# Altium PCB AKS.PcbDoc (continued)
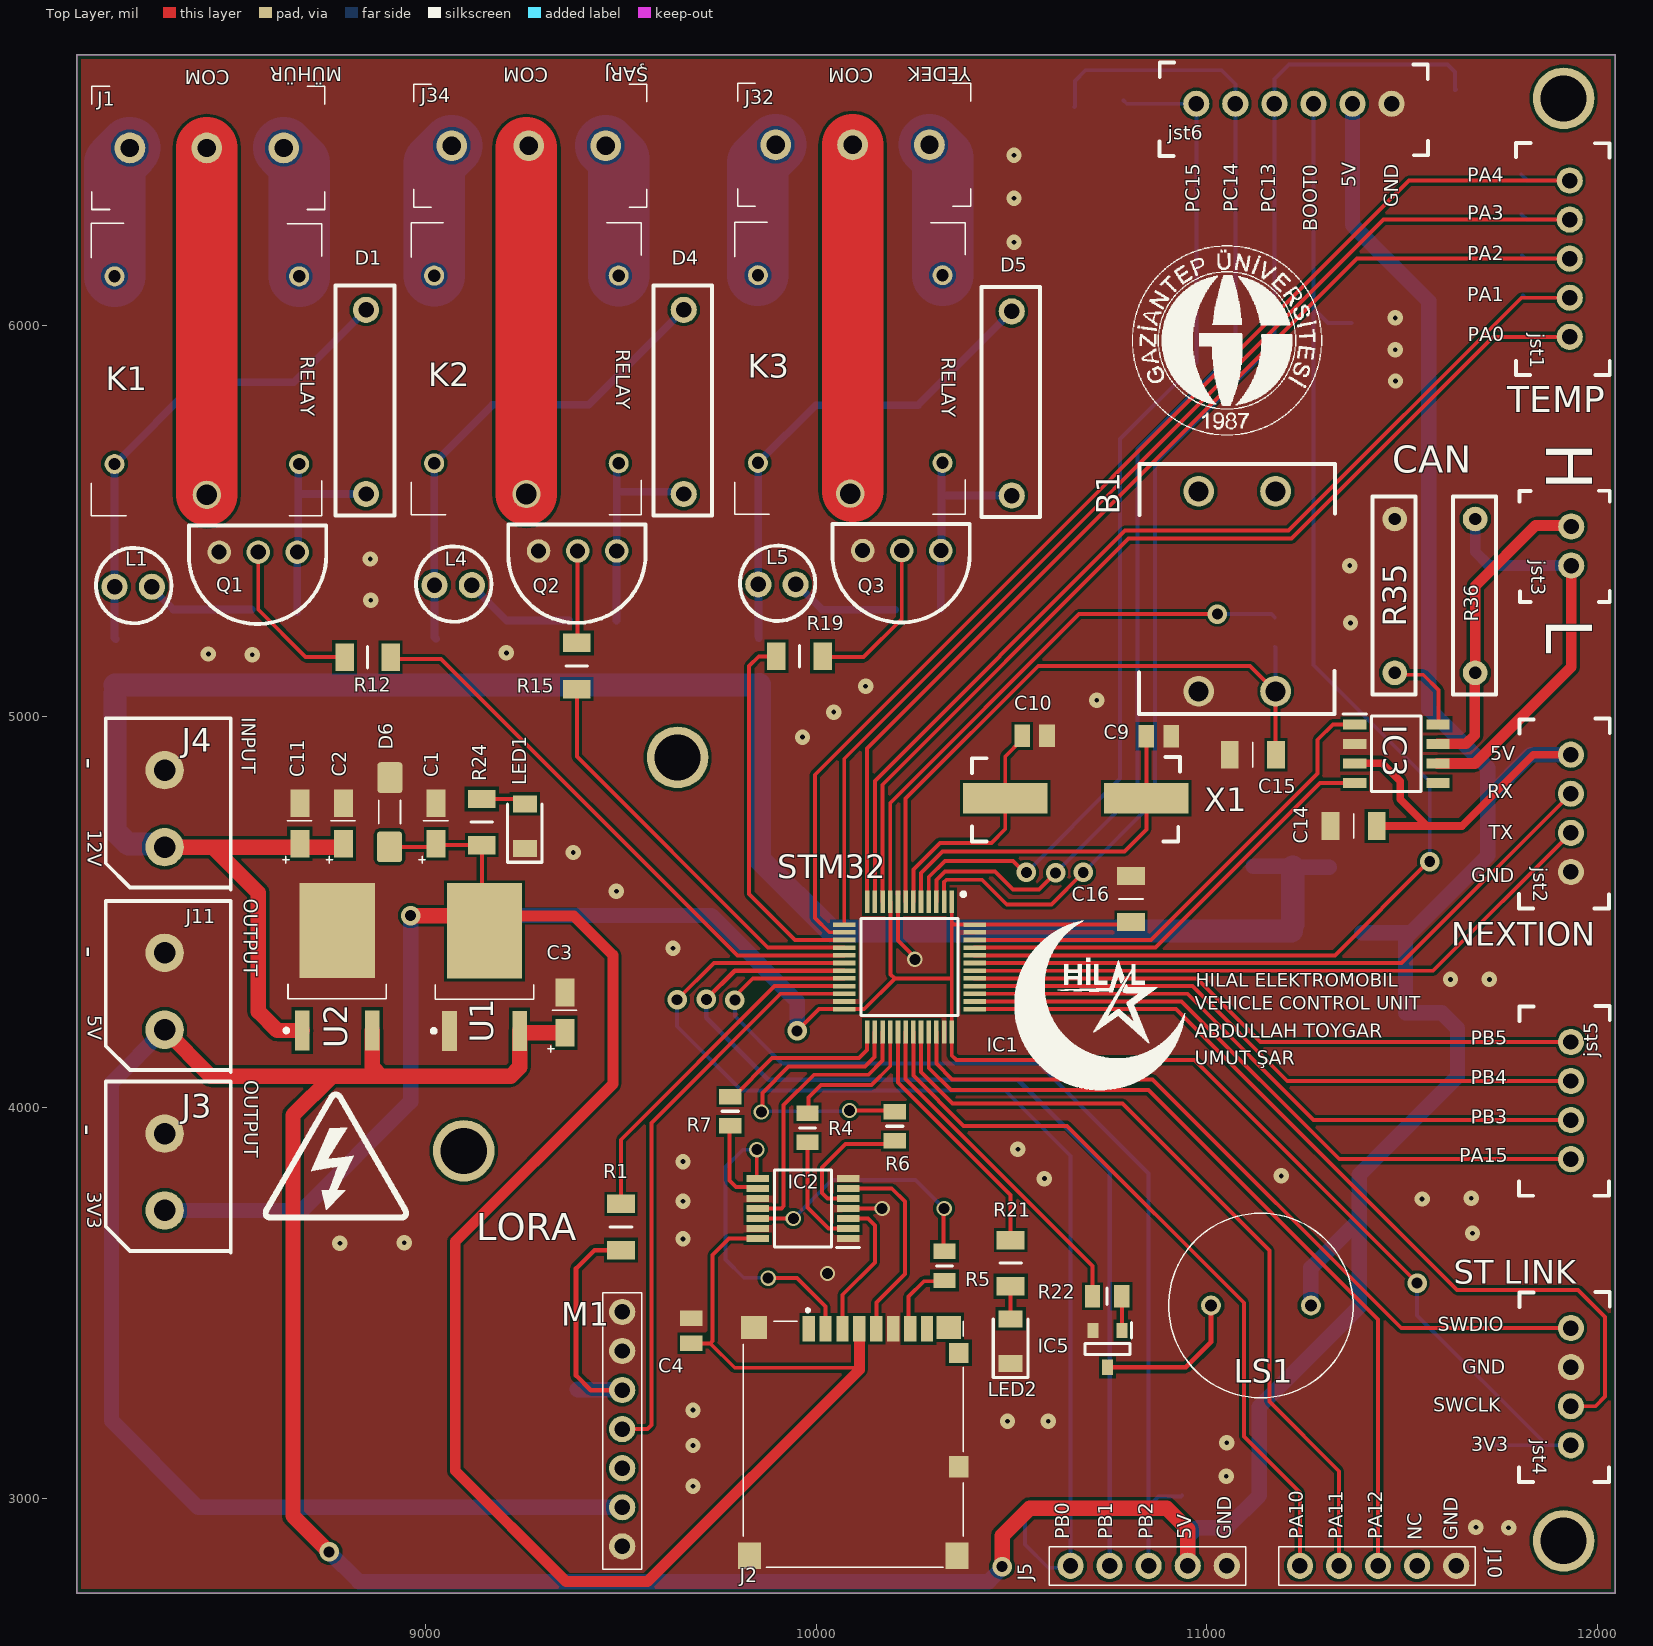
[diagram p0: Top Layer view]
## Footprints (in the part's own frame and the unit in brackets; to place one, negate y for a bottom-side part, rotate by r counter-clockwise, add the part's x,y. Pads: shape width x height; smd on the part's side, far side on the other; paste and mask are expansions set on the pad)
"2 pin jst connector" [mm]
  round 1.7 hole 1: 1(4.775,5.1) 2(7.315,5.1)
  silkscreen extent 2.45,1.74 9.68,7.6, body extent 2.47,1.75 9.68,7.59, height 7.21
2N2222A [mil]
  round 60.08 hole 38.62: 1(130,115) 2(230,115) 3(330,115)
  silkscreen extent 56,47 408,299, body extent 121,67 339,185, height 298
"3.3 VOLT ZENER" [mm]
  rrect25% 2x1.63 smd: 1(0.55,1.425) 2(5.05,1.4)
  silkscreen extent 2.02,0.7 3.52,2.1, body extent 0.92,0.65 4.63,2.25, height 1.6
"3x klemens 5mm" [mm]
  round 2 hole 1.2: 1(-14.575,4.225) 2(-9.575,4.225) 3(-4.575,4.225)
  silkscreen extent -17.05,0.23 -1.9,8.23, body extent -17.05,0.23 -1.9,8.23, height 1
4pin-jst [mm]
  round 1.7 hole 1: 1(2.4,3.5) 2(4.94,3.5) 3(7.48,3.5) 4(10.02,3.5)
  silkscreen extent 0.05,0.13 12.4,6.02, body extent 0.1,0.12 12.4,5.96, height 7.21
"5 pin jst" [mm] "2.54mm"
  round 1.7 hole 1: 1(3.325,4.575) 2(5.865,4.575) 3(8.405,4.575) 4(10.945,4.575) 5(13.485,4.575)
  silkscreen extent 0.87,1.07 15.97,7.17, body extent 1.01,1.2 15.84,7.04, height 7.21
"5X HEADER" [mm]
  round 1.7 hole 1: 1(1.225,1.525) 2(3.765,1.525) 3(6.305,1.525) 4(8.845,1.525) 5(11.385,1.525)
  silkscreen extent 0,0.28 12.78,2.78
"6 pin jst connecttor" [mm]
  round 1.7 hole 1: 1(3.175,3.65) 2(5.715,3.65) 3(8.255,3.65) 4(10.795,3.65) 5(13.335,3.65) 6(15.875,3.65)
  silkscreen extent 0.77,0.25 18.25,6.33, body extent 0.84,0.32 18.21,6.16, height 7.21
"8M Hz kristal" [mm]
  rect 5.5x2 smd: 1(-5.7,4.925) 2(-14.875,4.925)
  silkscreen extent -17.03,2.1 -3.5,7.6, body extent -16.67,2.39 -3.87,7.21, height 4.3
254EMB140RO [mm]
  round 1.3 hole 0.8: 1(0,0) 2(6.5,0)
  silkscreen extent -2.75,-6 9.25,6, body extent -2.75,-6 9.25,6, height 8.8
5027740891 [mm]
  rect 0.8x1.68 smd: 1(-4.25,0.5) 2(-5.35,0.5) 3(-6.45,0.5) 4(-7.55,0.5) 5(-8.65,0.5) 6(-9.75,0.5) 7(-10.85,0.5) 8(-11.95,0.5)
  rect 1.6x1.5 smd: 9(-13.35,0.41)
  rect 1.29x1.3 smd: 10(-14.005,2.06)
  rect 1.29x1.4 smd: 11(-14.005,9.46)
  rect 1.5x1.7 smd: 12(-13.9,15.26) 13(-0.4,15.26)
  rect 1.7x1.5 smd: 14(-0.7,0.41)
  silkscreen extent -14.3,-0.8 0,16, body extent -14.3,0.01 0,16.01, height 1.8
BUTON [mm]
  round 2 hole 1.3: 1(10.929,5.372) 2(15.929,5.372) 3(15.929,18.372) 4(10.929,18.372)
  silkscreen extent 7.07,3.6 19.8,19.85, body extent 7.48,5.25 19.48,18.45, height 6
C1206 [mm]
  rect 1.15x1.8 smd mask+0.05: 1(-0.875,-0.175) 2(2.125,-0.175)
  silkscreen extent 0.63,-0.98 0.63,0.63, body extent -0.97,-0.97 2.23,0.63, height 1
C1206-TANT [mm]
  rect 1.8x1.23 smd mask+0.05: 1(-1.475,-0.05) 2(1.145,-0.05)
  silkscreen extent -2.74,-0.82 0,1.08, body extent -1.77,-0.93 1.43,0.67, height 1.62
CAPC2012X94N [mm]
  rect 1.02x1.47 smd: 1(-0.81,0) 2(0.81,0)
  body extent -1,-0.63 1,0.63, height 0.94
DPAK228P972X240-3N [mm] "D-PAK, 3-Pads, Body 6,20x6,56mm (max), IPC Medium Density"
  rect 2.6x0.95 smd: 1(-4.15,2.28) 2(-4.15,-2.28)
  rect 6.2x4.9 smd mask+0.05: 3(2.35,0)
  silkscreen extent -4.27,-3.2 -1.15,3.43, body extent -4.29,-3.13 5.44,3.37, height 3.2
"GENERAL RESISTOR" [mm] "THT"
  round 1.6 hole 0.8: 1(1.6,1.65) 2(11.6,1.65)
  silkscreen extent 0.12,0.2 13,3, body extent 1.4,0.35 11.9,2.87, height 2.64
"KLEMENS 1x2 - 5mm" [mm]
  round 2.5 hole 1.4: 1(2.45,4.825) 2(7.45,4.825)
  silkscreen extent -0.3,0.53 10.82,8.65, body extent -0.02,0.8 10.58,8.4, height 10
led [mm] "led"
  round 1.7 hole 1: 1(1.975,3.8) 2(4.4,3.8)
  silkscreen extent 0.78,1.43 5.68,6.32, body extent 1.53,1.9 5.1,5.79, height 5.3
LEDC3214X78N [mm]
  rect 1.1x1.55 smd: 1(-1.45,0) 2(1.45,0)
  silkscreen extent -2.35,-1.12 1.45,1.12, body extent -1.6,-0.8 1.6,0.8, height 0.68
LORA [mm]
  round 1.7 hole 1: 1(1.325,1.8) 2(3.865,1.8) 3(6.405,1.8) 4(8.945,1.8) 5(11.485,1.8) 6(14.025,1.8) 7(16.565,1.8)
  silkscreen extent -0.15,0.53 17.83,3.05, body extent -1.55,0.25 19.45,48.75, height 9.87
QFP50P900X900X160-48N [mm]
  rect 1.475x0.3 smd: 1(-4.238,2.75) 2(-4.238,2.25) 3(-4.238,1.75) 4(-4.238,1.25) 5(-4.238,0.75) 6(-4.238,0.25) 7(-4.238,-0.25) 8(-4.238,-0.75) 9(-4.238,-1.25) 10(-4.238,-1.75) 11(-4.238,-2.25) 12(-4.238,-2.75) 25(4.238,-2.75) 26(4.238,-2.25) 27(4.238,-1.75) 28(4.238,-1.25) 29(4.238,-0.75) 30(4.238,-0.25) 31(4.238,0.25) 32(4.238,0.75) 33(4.238,1.25) 34(4.238,1.75) 35(4.238,2.25) 36(4.238,2.75)
  rect 0.3x1.475 smd: 13(-2.75,-4.238) 14(-2.25,-4.238) 15(-1.75,-4.238) 16(-1.25,-4.238) 17(-0.75,-4.238) 18(-0.25,-4.238) 19(0.25,-4.238) 20(0.75,-4.238) 21(1.25,-4.238) 22(1.75,-4.238) 23(2.25,-4.238) 24(2.75,-4.238) 37(2.75,4.238) 38(2.25,4.238) 39(1.75,4.238) 40(1.25,4.238) 41(0.75,4.238) 42(0.25,4.238) 43(-0.25,4.238) 44(-0.75,4.238) 45(-1.25,4.238) 46(-1.75,4.238) 47(-2.25,4.238) 48(-2.75,4.238)
  silkscreen extent -4.85,-3.15 3.15,3.63, body extent -4.5,-4.5 4.5,4.5, height 1.6
RELAY [mm]
  round 1.84 hole 1.34: 1(0,0)
  round 1.3 hole 0.8: 2(2,6) 3(2,-6) 4(14.2,6) 5(14.2,-6)
  silkscreen extent -1.35,-7.48 17.65,7.5, body extent -1.35,-7.5 17.65,7.5, height 15.04
RESC2012X65N [mm]
  rect 1x1.45 smd: 1(-0.95,0) 2(0.95,0)
  silkscreen extent 0,-0.53 0,0.53, body extent -1,-0.63 1,0.63, height 0.65
RESC3216X75N [mm]
  rect 1.2x1.8 smd: 1(-1.5,0) 2(1.5,0)
  silkscreen extent 0,-0.7 0,0.7, body extent -1.6,-0.8 1.6,0.8, height 0.75
"SF-26 DIODE" [mm]
  round 1.7 hole 1: 1(1.45,2.375) 2(13.425,2.375)
  silkscreen extent 0.05,0.53 15,4.35, body extent 1,0.65 13.9,4.15, height 3.75
SOIC127P600X175-8N [mm]
  rect 1.5x0.65 smd: 1(-2.7,1.905) 2(-2.7,0.635) 3(-2.7,-0.635) 4(-2.7,-1.905) 5(2.7,-1.905) 6(2.7,-0.635) 7(2.7,0.635) 8(2.7,1.905)
  silkscreen extent -3.45,-2.45 1.6,2.58, body extent -3,-2.45 3,2.45, height 1.75
SOP65P640X110-14N [mm]
  rect 1.475x0.45 smd: 1(-2.938,1.95) 2(-2.938,1.3) 3(-2.938,0.65) 4(-2.938,0) 5(-2.938,-0.65) 6(-2.938,-1.3) 7(-2.938,-1.95) 8(2.938,-1.95) 9(2.938,-1.3) 10(2.938,-0.65) 11(2.938,0) 12(2.938,0.65) 13(2.938,1.3) 14(2.938,1.95)
  silkscreen extent -3.67,-2.5 1.85,2.52, body extent -3.2,-2.5 3.2,2.5, height 1.1
SOT95P240X120-3N [mm]
  rect 1x0.7 smd: 1(-1.2,0.95) 2(-1.2,-0.95) 3(1.2,0)
  silkscreen extent -1.7,-1.46 0.35,1.55, body extent -1.2,-1.46 1.2,1.46, height 1.2

## Part data
C4 C9 C10: library part 08055A150JAT2A, "Capacitor", Manufacturer_Name=AVX, Mouser Part Number=581-08055A150J, Arrow Part Number=08055A150JAT2A, Arrow Price/Stock=https://www.arrow.com/en/products/08055a150jat2a/avx?region=nac, Datasheet Link=https://componentsearchengine.com/Datasheets/1/06031A100FAT2A.pdf, Height=0.94mm, Manufacturer_Part_Number=08055A150JAT2A, Mouser Price/Stock=https://www.mouser.co.uk/ProductDetail/AVX/08055A150JAT2A?qs=pZVDklL%2Fs8hiEua37sqbaA%3D%3D
C7 C14 C15 C16: library part "10 uF C1206", "10 uF C1206"
D1 D4 D5: library part "SF-26 DIODE", "DIODE"
D6: "ZENER DIODE"
IC1: "Integrated Circuit", Manufacturer_Name=STMicroelectronics, Mouser Part Number=511-STM32F103CBT6, Arrow Part Number=STM32F103CBT6, Arrow Price/Stock=https://www.arrow.com/en/products/stm32f103cbt6/stmicroelectronics?region=europe, Datasheet Link=http://www.st.com/st-web-ui/static/active/en/resource/technical/document/datasheet/CD00161566.pdf, Height=1.6mm, Manufacturer_Part_Number=STM32F103CBT6, Mouser Price/Stock=https://www.mouser.co.uk/ProductDetail/STMicroelectronics/STM32F103CBT6?qs=WxFF5lh7QM3goh6GV5Ogig%3D%3D
IC2: "Integrated Circuit", Manufacturer_Name=Nexperia, Mouser Part Number=771-74LVC125APW-T, Arrow Part Number=74LVC125APW,118, Arrow Price/Stock=https://www.arrow.com/en/products/74lvc125apw118/nexperia?region=nac, Datasheet Link=https://assets.nexperia.com/documents/data-sheet/74LVC125A.pdf, Height=1.1mm, Manufacturer_Part_Number=74LVC125APW,118, Mouser Price/Stock=https://www.mouser.co.uk/ProductDetail/Nexperia/74LVC125APW118?qs=me8TqzrmIYV8VAZOS5KVLw%3D%3D
IC3: "Integrated Circuit", Arrow Part Number=MCP2551-E/SN, Manufacturer_Name=Microchip, Mouser Part Number=579-MCP2551-E/SN, Arrow Price/Stock=https://www.arrow.com/en/products/mcp2551-esn/microchip-technology, Datasheet Link=https://datasheet.datasheetarchive.com/originals/distributors/SFDatasheet-4/sf-00090061.pdf, Height=1.75mm, Manufacturer_Part_Number=MCP2551-E/SN, Mouser Price/Stock=https://www.mouser.co.uk/ProductDetail/Microchip-Technology-Atmel/MCP2551-E-SN?qs=Vn0zuzr35GHkGDCgnw0F9A%3D%3D
IC5: "Integrated Circuit", Manufacturer_Name=Diotec, Mouser Part Number=637-MMBT3904, Arrow Part Number=MMBT3904, Arrow Price/Stock=https://www.arrow.com/en/products/mmbt3904/diotec-semiconductor-ag?region=europe, Datasheet Link=https://media.digikey.com/pdf/Data%20Sheets/ON%20Semiconductor%20PDFs/2N3904,MMBT3904,PZT3904.pdf, Height=1.2mm, Manufacturer_Part_Number=MMBT3904, Mouser Price/Stock=https://www.mouser.co.uk/ProductDetail/Diotec-Semiconductor/MMBT3904?qs=OlC7AqGiEDkK1MwiyUU6mg%3D%3D
J2: "Connector", Manufacturer_Name=Molex, Arrow Part Number=5027740891, Arrow Price/Stock=https://www.arrow.com/en/products/5027740891/molex?region=nac, Datasheet Link=https://www.molex.com/webdocs/datasheets/pdf/en-us/5027740891_MEMORY_CARD_SOCKET.pdf, Height=1mm, Manufacturer_Part_Number=5027740891
J3 J4 J11: library part "KLEMENS 1X2 3.5mm", "KLEMENS"
jst6: "connector"
K1 K2 K3: "Relay or Contactor", Manufacturer_Name="Songle Relay", Manufacturer_Part_Number=SRD-12VDC-SL-C
LED1 LED2: "LED", Manufacturer_Name="Wurth Elektronik", Mouser Part Number=710-150120BS75000, Datasheet Link=https://katalog.we-online.de/led/datasheet/150120BS75000.pdf, Height=0.78mm, Manufacturer_Part_Number=150120BS75000, Mouser Price/Stock=https://www.mouser.co.uk/ProductDetail/Wurth-Elektronik/150120BS75000?qs=LlUlMxKIyB1WGHUNBglvng%3D%3D
LS1: "Loudspeaker or Buzzer", Manufacturer_Name=Kobitone, Datasheet Link=https://componentsearchengine.com/Datasheets/1/254-EMB140-RO.pdf, Height=8.7mm, Manufacturer_Part_Number=254-EMB140-RO, Mouser Part Number=254-EMB140-RO, Mouser Price/Stock=https://www.mouser.com/Search/Refine.aspx?Keyword=254-EMB140-RO
Q1 Q2 Q3: "Transistor BJT NPN", Manufacturer_Name="Foshan Blue Rocket Elec", Datasheet Link=https://datasheet.lcsc.com/szlcsc/1901291437_Foshan-Blue-Rocket-Elec-2N2222A_C358533.pdf, Height=4.7mm, Manufacturer_Part_Number=2N2222A
R1 R2: "Resistor", Manufacturer_Name=Bourns, Manufacturer_Part_Number=CR1206-F/-2R70ELF, Mouser Part Number=652-CR1206-F/2R70ELF, Datasheet Link=https://mail.qq.com/cgi-bin/loginpage?autologin=n&errtype=1&clientuin=895793657&param=&sp=&tfcont=22%20serialization%3A%3Aarchive%2010%200%200%204%200%200%200%208%20authtype%201%204%209%20clientuin%209%20895793657%206%20domain%206%20qq.com%202%20vm%203%20, Height=0.75mm, Mouser Price/Stock=https://www.mouser.co.uk/ProductDetail/Bourns/CR1206-F-2R70ELF?qs=W%2FMpXkg%252BdQ43a7iNS79Iog%3D%3D
R3 R8 R9 R10 R11 R12 R13 R14 R15 R16 R17 R18 R19 R21 R23 R24 R25 R26 R27 R28 R29 R31 R32 R33 R34: library part CR1206-F_-2R70ELF, "Resistor", Manufacturer_Name=Bourns, Manufacturer_Part_Number=CR1206-F/-2R70ELF, Mouser Part Number=652-CR1206-F/2R70ELF, Datasheet Link=https://mail.qq.com/cgi-bin/loginpage?autologin=n&errtype=1&clientuin=895793657&param=&sp=&tfcont=22%20serialization%3A%3Aarchive%2010%200%200%204%200%200%200%208%20authtype%201%204%209%20clientuin%209%20895793657%206%20domain%206%20qq.com%202%20vm%203%20, Height=0.75mm, Mouser Price/Stock=https://www.mouser.co.uk/ProductDetail/Bourns/CR1206-F-2R70ELF?qs=W%2FMpXkg%252BdQ43a7iNS79Iog%3D%3D
R4 R5 R6 R7 R20 R22: library part CPF0805B100RE1, "Resistor", Manufacturer_Name="TE Connectivity", Mouser Part Number=279-CPF0805B100RE1, Arrow Part Number=CPF0805B100RE1, Arrow Price/Stock=https://www.arrow.com/en/products/cpf0805b100re1/te-connectivity?region=nac, Datasheet Link=https://datasheet.datasheetarchive.com/originals/distributors/DKDS-21/401696.pdf, Height=0.65mm, Manufacturer_Part_Number=CPF0805B100RE1, Mouser Price/Stock=https://www.mouser.co.uk/ProductDetail/TE-Connectivity-Holsworthy/CPF0805B100RE1?qs=9ylKvqdyudkCWLPT1QvLZQ%3D%3D
R35 R36: "GENERAL TYPE THT RES"
U1: "LD108633 3.3V REGULATOR"
U2 U3: "L7805 5V REGULATOR. SMD PAKET"

## Free pads (board coordinates)
  round 157.48 hole 118.11: 2(9098.43,3888.78) 2(9645.67,4895.67) 2(11913.39,6582.68) 3(11913.39,2890.75)

## Via types
v1: diameter 39.37, hole 12.24, Top Layer to Bottom Layer, 42 vias
v2: diameter 50, hole 28, Top Layer to Bottom Layer, 13 vias
v3: diameter 39.37, hole 28, Top Layer to Bottom Layer, 9 vias

## Nets (pads, with @x,y where several pads share a name; then routed paths per layer and width w, separated by ;. In a path a pad name is that pad's centre, name@x,y a point inside that pad or via, vN(x,y) a via of type N, cw(c..) or ccw(c..) an arc to the next point about the centre after c; other vN are vias at no path point)
3V3: C1.1 C4.1 C7.2 C16.1 D6.2 IC1.1 IC1.9 IC1.24 IC1.36 IC1.48 IC2.14 J2.4 J3.1 jst4.4 R20.1 R24.1 U1.3 | length 12360.4
  Top Layer w10: D6.2 9019.27,4666.91 C1.1 9031.5,4671.26 R24.1 U1.3@9144.68,4458.66 ; C4.1 9729.38,3396.26 ; IC2.14 9777.56,3664.37 9735.24,3622.05 9735.24,3402.12 9729.38,3396.26 ; v2(9951.77,4195.87) 10007.36,4251.46 IC1.24 10123.5,4251.46 10201.69,4329.65 ; 10111.02,3328.54 10105.91,3333.66 9791.98,3333.66 9729.38,3396.26 ; IC1.1 10347.52,4474.24 ; C16.1@10806.25,4467.99 IC1.48 10353.77,4467.99 10347.52,4474.24 ; v2(11027.56,5262.8) 10673.23,5262.8 10190.04,4779.61 IC1.9 10190.94,4525.67 10190.94,4340.39 10201.69,4329.65 ; v2(11538.39,3550.2) 11538.39,3551.18 10968.5,4121.06 10359.25,4121.06 10347.52,4132.8 IC1.36 10347.52,4329.65 ; 10201.69,4329.65 10347.52,4329.65 ; 10347.52,4329.65 10347.52,4474.24
  Top Layer w27.56: U1.3 9189.96,4490.16 9379.92,4490.16 9480.32,4389.76 9480.32,4060.04 9076.77,3656.5 9076.77,3069.88 9360.24,2786.42 9568.9,2786.42 10111.02,3328.54 J2.4
  Top Layer w39.37: v2(8962.6,4491.14) 8963.58,4490.16 9113.19,4490.16 U1.3@9144.68,4458.66
  Bottom Layer w10: v2(11027.56,5262.8) 11165.35,5262.8 R20.1 ; v2(11538.39,3550.2) 11538.39,3467.52 11870.67,3135.24 ; C7.2@11709.45,3134.06 C7.2 ; C7.2@11709.65,3128.94 11715.94,3135.24 11870.67,3135.24 ; jst4.4 11870.67,3135.24
  Bottom Layer w39.37: J3.1 8684.06,3736.22 8962.6,4014.76 v2(8962.6,4491.14) 9732.28,4491.14 9951.77,4271.65 v2(9951.77,4195.87)
5V: C3.1 C6.1 C14.1 IC3.3 J5.2 J11.1 jst2.1 jst6.5 LS1.1 M1.2 U1.2 U2.2 U3.2 | length 13451.3
  Top Layer w19.68: IC3.3 11449.21,4880.51 11495.08,4834.65 11495.08,4788.49 11563.09,4720.47 ; C14.1 11563.09,4720.47 ; jst2.1 11835.83,4902.76 11653.54,4720.47 11563.09,4720.47
  Top Layer w39.37: J11.1 8451.77,4079.72 8760.83,4079.72 ; v2(8753.94,2862.2) 8661.42,2954.72 8661.42,3980.32 8760.83,4079.72 ; U2.2 8864.37,4102.79 8887.43,4079.72 ; U1.2 U1.2@9241.34,4191.93 ; C3.1 9242.32,4190.94 U1.2@9241.34,4191.93 ; v2(10476.38,2824.8) 10476.38,2903.54 10547.24,2974.41 10897.64,2974.41 10951.38,2920.67 J5.2 ; 8760.83,4079.72 8887.43,4079.72 ; 8887.43,4079.72 9218.28,4079.72 9241.34,4102.79 U1.2@9241.34,4191.93
  Bottom Layer w39.37: J11.1 8196.85,4062.99 8196.85,3198.26 8418.53,2976.57 M1.2 ; v2(8753.94,2862.2) 8829.72,2786.42 10441.93,2786.42 10476.38,2820.87 v2(10476.38,2824.8) ; J5.2 10951.38,2900.2 10975.39,2924.21 11052.17,2924.21 11134.84,3006.89 11134.84,3234.25 11390.75,3490.16 11390.75,3713.58 ; LS1.1 11266.73,3589.57 11390.75,3713.58 ; jst6.5@11373.23,6576.95 jst6.5 11373.23,6258.66 11567.91,6063.98 11567.91,5020.67 11719.49,4869.09 11719.49,4793.31 ; U3.2 11513.78,4446.85 11517.72,4442.91 ; jst2.1 11828.94,4902.76 11719.49,4793.31 ; 11390.75,3713.58 11390.75,3827.76 11641.73,4078.74 11641.73,4202.33 11601.94,4242.13 C6.1 11508.86,4434.06 11517.72,4442.91 ; 11517.72,4442.91 11719.49,4644.69 11719.49,4793.31
+12: C2.1 C5.1 C8.1 C11.1 J4.1 R10.2 R13.2 R16.2 U2.1 U3.1 | length 5461.4
  Top Layer w39.37: J4.1 8455.71,4666.34 ; U2.1 8621.06,4196.85 8572.83,4245.08 8572.83,4549.21 8455.71,4666.34 ; C2.1 8790.35,4670.87 8785.83,4666.34 8455.71,4666.34
  Bottom Layer w39.37: C8.1 11216.34,4617.13 11217.32,4618.11 11220.28,4615.16 C5.1
  Bottom Layer w59.06: R10.2@8205.71,5081.69 R13.2 9854.33,5081.69 R16.2 9855.31,4635.83 10039.37,4451.77 U3.1@11217.32,4451.77 ; R10.2 8207.68,5061.45 8205.71,5059.48 8205.71,4708.47 8240.3,4673.87 8325.14,4673.87 J4.1 ; U3.1@11220.28,4468.5 11220.28,4615.16
BOOT0: IC1.44 jst6.4 R23.1 | length 3440.4
  Top Layer w10: IC1.44 11328.23,4389.25 11567.91,4628.94 v2(11570.87,4628.94)
  Bottom Layer w10: jst6.4 11273.23,6044.69 ; R23.1 11310.04,6007.87 11273.23,6044.69 ; v2(11570.87,4628.94) 11570.87,4834.65 11273.23,5132.28 11273.23,6044.69
BOOT1: IC1.20 J5.3 R25.2 | length 2677
  Top Layer w10: v2(9792.32,4274.61) 9792.32,4284.45 9838.07,4330.2 IC1.20
  Bottom Layer w10: v2(9792.32,4274.61) 9792.32,4233.27 9913.39,4112.2 10569.88,4112.2 10851.38,3830.71 10851.38,2979.33 ; J5.3 10851.38,2979.33 ; R25.2 10934.76,3004.64 10876.68,3004.64 10851.38,2979.33
BUZZER: IC1.30 R22.1 | length 874.2
  Top Layer w10: IC1.30 10229.41,4072.76 10707.68,3594.49 R22.1
"CS SD": IC2.8 J2.2 | length 767.7
  Top Layer w10: v3(9848.43,3891.73) 9848.43,3820.35 IC2.8 ; v3(9877.41,3563.2) 9951.57,3563.2 10024.41,3490.35 J2.2
  Bottom Layer w10: v3(9848.43,3891.73) 9812.99,3891.73 9768.7,3847.44 9768.7,3610.24 9814.96,3563.98 v3@9873.03,3563.98
GND: B1.3 C1.2 C2.2 C3.2 C4.2 C5.2 C6.2 C7.1 C8.2 C9.1 C10.1 C11.2 C14.2 C15.1 C16.2 D6.1 IC1.8 IC1.23 IC1.35 IC1.47 IC2.1 IC2.4 IC2.7 IC2.10 IC2.13 IC3.2 IC5.2 J2.6 J2.11 J2.12 J2.13 J2.14 J3.2 J4.2 J5.1 J10.1 J11.2 jst2.4 jst4.2 jst6.6 LED1.1 LED2.1 M1.1 M1.6 M1.7 Q1.3 Q2.3 Q3.3 R2.1 R3.2 R8.2 R9.2 R17.2 R23.2 R25.1 R26.2 R27.2 R28.2 R29.2 R31.2 R32.2 R33.2 R34.2 R35.1 U1.1 U2.3 U3.3 | length 252.6
  Top Layer w10: IC2.4 v3(10169.29,3741.14) ; IC1.8 10209.72,4427.09 10252.95,4383.86 v3(10252.95,4378.94)
  other v1: 11772.64,2924.21 11688.98,2925.2 9685.04,3030.51 11050.2,3056.1 9685.04,3134.84 11051.18,3141.73 10490.16,3196.85 10594.49,3196.85 9685.04,3225.39 8781.5,3652.56 8945.87,3653.54 9659.45,3663.39 11680.12,3678.15 9659.45,3759.84 11551.18,3765.75 11677.17,3767.72 10584.65,3817.91 11190.94,3824.8 9659.45,3861.22 10516.73,3892.72 11624.02,4327.76 11723.43,4327.76 9633.86,4407.48 9489.17,4553.15 9378.94,4652.56 9965.55,4947.83 10045.28,5011.81 10718.5,5042.32 10126.97,5077.76 8557.09,5158.46 8444.88,5160.43 9207.68,5163.39 11368.11,5240.16 8860.24,5298.23 11366.14,5386.81 8859.25,5403.54 11483.27,5859.25 11482.28,5938.98 11482.28,6020.67 10506.89,6214.57 10506.89,6326.77 10506.89,6437.01
  other v3: 10029.53,3574.8
LED: IC1.29 R21.1 | length 651.9
  Top Layer w10: IC1.29 10209.72,4063.9 10498.03,3775.59 R21.1
"MISO SD CARD": IC1.27 IC2.11 | length 700.9
  Top Layer w10: IC2.11 9911.46,3741.14 9917.32,3747 9917.32,4005.91 9995.08,4083.66 10133.86,4083.66 10170.35,4120.16 IC1.27
"MOSI SD CARD": IC1.28 R4.1 | length 372.3
  Top Layer w10: R4.1@9980.88,3982.7 9980.88,4025.17 10012.8,4057.09 10141.73,4057.09 10190.04,4105.39 IC1.28
mühür: IC1.17 R12.2 | length 1484.6
  Top Layer w10: R12.2@8901.92,5147.64 9040.35,5147.64 9798.74,4389.25 IC1.17
"NC K4": J34.1 K2.4 | length 351.5
  Bottom Layer w157.48: K2.4 9022.64,6416.26 J34.1
"NC K5": J32.1 K3.4 | length 352.4
  Bottom Layer w157.48: K3.4 9851.38,6418.23 J32.1
NetD1_1: D1.1 K1.3 Q1.1 R11.1 | length 550.9
  Bottom Layer w19.68: R11.1@8672.44,5267.18 Q1.1 ; Q1.1@8674.53,5422.24 8674.53,5644.09 K1.3 ; 8677.09,5569.88 D1.1
NetD1_2: D1.2 K1.2 L1.1 R10.1 | length 1257.3
  Bottom Layer w19.68: L1.1@8204.65,5331.69 K1.2 8414.27,5856.3 8663.39,5856.3 D1.2 ; L1.1 8204.72,5201.77 R10.1
NetD4_1: D4.1 K2.3 Q2.1 R14.1 | length 573.6
  Bottom Layer w19.68: R14.1@9489.57,5246.06 9489.57,5423.82 Q2.1 9489.96,5643.5 K2.3 ; 9495.08,5575.79 9655.51,5575.79 D4.1
NetD4_2: D4.2 K2.2 L4.1 R13.1 | length 1252.3
  Bottom Layer w19.68: R13.1 9023.62,5203.74 L4.1 9022.64,5337.6 K2.2 9172.24,5798.23 9418.31,5798.23 D4.2
NetD5_1: D5.1 K3.3 Q3.1 R18.1 | length 555.8
  Bottom Layer w19.68: Q3.1@10316.54,5424.21 10321.26,5428.94 10321.26,5565.94 10321.26,5647.05 K3.3 ; R18.1@10319.49,5275 Q3.1 ; 10323.82,5565.94 D5.1
NetD5_2: D5.2 K3.2 L5.1 R16.1 | length 1509.1
  Bottom Layer w19.68: K3.2 9999.02,5797.24 10260.83,5797.24 D5.2 ; R16.1@9852.36,5205.71 9852.36,5328.74 9852.36,5334.65 L5.1 K3.2@9852.36,5648.62 ; R16.1@9853.35,5200.79 R16.1@9853.35,5205.71 ; L5.1@9853.35,5328.74 R16.1@9853.35,5205.71 ; L5.1@9853.35,5333.66 R16.1@9853.35,5205.71
Netjst1_1: IC1.14 jst1.1 R29.1 | length 3149.3
  Top Layer w10: IC1.14 10033.98,4448.31 9997.05,4485.24 9997.05,4851.38 11517.91,6372.24 jst1.1
  Bottom Layer w10: R29.1 11820.67,6372.24 jst1.1
Netjst1_2: IC1.13 jst1.2 R17.1 | length 2981.1
  Top Layer w10: IC1.13 10072.4,4892.28 11452.36,6272.24 jst1.2
  Bottom Layer w10: R17.1 11819.29,6272.24 jst1.2
Netjst1_3: IC1.12 jst1.3 R9.1 | length 2835
  Top Layer w10: IC1.12 10130.98,4918.39 11384.84,6172.24 jst1.3
  Bottom Layer w10: R9.1 11815.94,6172.24 jst1.3
Netjst1_4: IC1.11 jst1.4 R8.1 | length 2722.2
  Top Layer w10: IC1.11 10150.67,4835.71 10791.34,5476.38 11209.65,5476.38 11805.51,6072.24 jst1.4
  Bottom Layer w10: R8.1 11814.57,6072.24 jst1.4
Netjst1_5: IC1.10 jst1.5 R3.1 | length 2653.1
  Top Layer w10: IC1.10 10170.35,4825.87 10800.2,5455.71 11216.54,5455.71 11733.07,5972.24 jst1.5
  Bottom Layer w10: R3.1 11809.25,5972.24 jst1.5
Netjst3_1: IC3.7 jst3.1 R36.2 | length 796.9
  Top Layer w27.56: IC3.7 11663.78,4930.51 11686.02,4952.76 R36.2@11686.02,5112.2 ; R36.2 11687.01,5334.65 11841.54,5489.17 11930.71,5489.17 jst3.1 ; jst3.1@11925,5487.01 jst3.1@11925.2,5486.81
Netjst3_2: IC3.6 jst3.2 R36.1 | length 1047.9
  Top Layer w27.56: IC3.6 11686.61,4880.51 11933.07,5126.97 jst3.2
  Bottom Layer w27.56: R36.1 11687.01,5422.24 11722.44,5386.81 jst3.2
Netjst5_1: IC1.41 jst5.1 | length 1593.4
  Top Layer w10: IC1.41 10974.92,4330.2 11137.6,4167.52 jst5.1
Netjst5_2: IC1.40 jst5.2 | length 1626.6
  Top Layer w10: IC1.40 10963.11,4310.51 11206.1,4067.52 jst5.2
Netjst5_3: IC1.39 jst5.3 | length 1659.9
  Top Layer w10: IC1.39 10950.32,4290.83 11273.62,3967.52 jst5.3
Netjst5_4: IC1.38 jst5.4 | length 1693.2
  Top Layer w10: IC1.38 10935.55,4271.14 11339.17,3867.52 jst5.4
NetL1_2: L1.2 R11.2 | length 281
  Bottom Layer w19.68: L1.2 8300.2,5329.3 8354.89,5274.61 R11.2
NetL4_2: L4.2 R14.2 | length 288.5
  Bottom Layer w19.68: L4.2 9120.57,5335.14 9119.59,5335.14 9208.66,5246.06 R14.2@9368.11,5246.06
NetL5_2: L5.2 R18.2 | length 281.8
  Bottom Layer w19.68: L5.2 9950.51,5338.58 10015.47,5273.62 R18.2
NetLabel3: J1.2 K1.1 | length 887.7
  Top Layer w157.48: K1.1 J1.2
NetLabel4: J1.1 K1.4 | length 345
  Bottom Layer w157.48: K1.4 8204.65,6416.26 J1.1
NetLabel5: J1.3 K1.5 | length 345
  Bottom Layer w157.48: J1.3 8677.09,6416.26 K1.5
NetLabel14: J34.2 K2.1 | length 885.7
  Top Layer w157.48: K2.1 J34.2@9258.86,6455.63
NetLabel15: J32.2 K3.1 | length 886.7
  Top Layer w157.48: K3.1@10093.58,5576.85 J32.2
NetLED1_2: LED1.2 R24.2 | length 115.3
  Top Layer w10: R24.2 9242.62,4789.37 LED1.2
NetLED2_2: LED2.2 R21.2 | length 83.7
  Top Layer w10: LED2.2 R21.2
NetLS1_2: IC5.3 LS1.2 | length 385.8
  Top Layer w11.81: IC5.3 10946.85,3334.65 11010.83,3398.62 LS1.2
NetM1_5: M1.5 R1.2 R2.2 | length 659.3
  Top Layer w11.81: R1.2@9501.97,3635.83 R1.2 9433.07,3634.84 9385.83,3587.6 9385.83,3313.98 9423.23,3276.57 M1.5
  Bottom Layer w39.37: R2.2 9389.76,3277.56 9502.95,3277.56 M1.5
NetQ1_2: Q1.2 R12.1 | length 418.4
  Top Layer w10: Q1.2 8572.44,5274.02 8693.9,5152.56 R12.1
NetQ2_2: Q2.2 R15.1 | length 235.2
  Top Layer w10: R15.1@9389.96,5188.98 Q2.2
NetQ3_2: Q3.2 R19.1 | length 425.2
  Top Layer w10: R19.1@10009.89,5152.56 10122.05,5152.56 10219.49,5250 Q3.2
NetR4_2: IC2.2 R4.2 | length 292.6
  Top Layer w10: R4.2 9978.35,3744.09 10032.48,3689.96 IC2.2
NetR5_1: IC2.12 R5.1 | length 658.3
  Top Layer w10: IC2.12 v3(9941.93,3715.55) ; v3(10327.76,3741.14) 10326.77,3740.16 10326.77,3633.86 R5.1
  Bottom Layer w10: v3(9941.93,3715.55) 10040.35,3813.98 10254.92,3813.98 v3(10327.76,3741.14)
NetR6_2: IC2.5 R6.2 | length 349
  Top Layer w10: IC2.5 10029.53,3766.73 10015.75,3780.51 10015.75,3846.46 10075.79,3906.5 R6.2@10201.77,3906.5
NetR7_1: IC2.9 R7.1 | length 225.1
  Top Layer w10: R7.1@9789.37,3952.76 9778.54,3941.93 9778.54,3812.99 9795.35,3796.18 9847.01,3796.18 IC2.9
NetR22_2: IC5.1 R22.2 | length 88
  Top Layer w10: R22.2 10783.46,3515.75 IC5.1
NetR35_2: IC3.8 R35.2 | length 218.8
  Top Layer w10: R35.2 11486.22,5107.28 11554.13,5107.28 11593.5,5067.91 11593.5,4982.48 IC3.8
"NO K4": J34.3 K2.5 | length 346.5
  Bottom Layer w157.48: J34.3 9495.08,6428.23 K2.5
"NO K5": J32.3 K3.5 | length 347.5
  Bottom Layer w157.48: J32.3 10323.82,6430.2 K3.5
NRST: B1.4 C15.2 IC1.7 R20.2 | length 1656
  Top Layer w10: IC1.7 10229.41,4790.43 10568.9,5129.92 11111.22,5129.92 B1.4 11176.18,4903.54 C15.2
  Bottom Layer w10: R20.2 11176.18,5177.17 B1.4
"OSC IN": C9.2 IC1.5 X1.1 | length 935
  Top Layer w10: IC1.5 10268.78,4600.47 10323.82,4655.51 10789.37,4655.51 10845.47,4711.61 X1.1 10845.47,4949.41 C9.2
"OSC OUT": C10.2 IC1.6 X1.2 | length 616.8
  Top Layer w10: IC1.6 10249.09,4609.33 10316.93,4677.17 10448.82,4677.17 10484.25,4712.6 X1.2 10484.25,4898.62 10527.56,4941.93 C10.2
PA10: IC1.31 J10.5 R33.1 | length 2031.9
  Top Layer w10: IC1.31 10249.09,4081.61 10377.95,3952.76 10642.76,3952.76 11095.47,3500.05 11095.47,3157.48 11238.58,3014.37 J10.5
  Bottom Layer w10: R33.1 11238.58,2922.83 J10.5
PA11: IC1.32 J10.4 R31.1 | length 2164.3
  Top Layer w10: IC1.32 10268.78,4090.47 10349.41,4009.84 10784.45,4009.84 11160.43,3633.86 11160.43,3247.05 11338.58,3068.9 J10.4
  Bottom Layer w10: R31.1 11338.58,2924.21 J10.4
PA12: IC1.33 J10.3 R32.1 | length 2240.7
  Top Layer w10: IC1.33 10288.46,4101.3 10345.47,4044.29 10851.38,4044.29 11438.58,3457.09 J10.3
  Bottom Layer w10: R32.1 11438.58,2923.62 J10.3
PB0: IC1.18 J5.5 R34.1 | length 2925.5
  Top Layer w10: v2(9644.68,4275.59) 9738.43,4369.33 10072.17,4369.33 IC1.18
  Bottom Layer w10: v2(9644.68,4275.59) 9644.68,4207.68 9809.06,4043.31 10484.25,4043.31 10651.38,3876.18 J5.5 10646.46,2821.85 10594.49,2821.85 10535.43,2880.91 R34.1
PB1: IC1.19 J5.4 | length 2635.3
  Top Layer w11.81: v2(9719.49,4276.57) 9719.49,4277.56 9791.81,4349.88 IC1.19
  Bottom Layer w11.81: v2(9719.49,4276.57) 9719.49,4229.33 9878.07,4070.75 10516.85,4070.75 10751.38,3836.22 J5.4
PB8: IC1.45 IC3.4 | length 1147.5
  Top Layer w10: IC1.45 10868.58,4408.94 11290.16,4830.51 IC3.4
PB9: IC1.46 IC3.1 | length 1252.2
  Top Layer w10: IC1.46 10857.76,4428.62 11283.46,4854.33 11283.46,4940.94 11323.03,4980.51 IC3.1
PC13: IC1.2 jst6.3 R28.1 | length 3237.5
  Top Layer w10: IC1.2 10327.83,4576.82 10333.69,4582.68 10425.2,4582.68 10488.19,4519.69 10602.36,4519.69 v2(10684.06,4601.38)
  Bottom Layer w10: v2(10684.06,4601.38) 10868.11,4785.43 10868.11,5649.61 11173.82,5955.31 jst6.3@11173.82,6568.9 ; jst6.3 11173.23,6578.74 11173.23,6631.89 11210.63,6669.29 11616.14,6669.29 11635.83,6649.61 11635.83,6603.35 R28.1
PC14: IC1.3 jst6.2 R27.1 | length 3129.5
  Top Layer w10: IC1.3 10308.15,4582.41 10330.07,4604.33 10457.68,4604.33 10504.45,4557.56 10570.35,4557.56 v2(10613.19,4600.39)
  Bottom Layer w10: v2(10613.19,4600.39) 10822.83,4810.04 10822.83,5685.04 11073.82,5936.02 jst6.2@11073.82,6578.74 ; R27.1 10662.4,6562.01 10662.4,6626.97 10689.96,6654.53 11037.4,6654.53 11073.23,6618.7 jst6.2
PC15: IC1.4 jst6.1 R26.1 | length 2699.4
  Top Layer w10: IC1.4 10288.46,4589.65 10329.72,4630.91 10504.27,4630.91 10533.8,4601.38 v2(10538.39,4601.38)
  Bottom Layer w10: v2(10538.39,4601.38) 10778.54,4841.54 10778.54,5710.63 10973.82,5905.91 10973.82,6568.9 jst6.1@10973.82,6588.99 ; R26.1@10787.4,6576.77 10795.28,6568.9 jst6.1
"SCK SD CARD": IC1.26 R6.1 | length 783.5
  Top Layer w10: v3(9860.24,3988.19) 9862.95,3990.9 9862.95,4037.16 9930.12,4104.33 10124.92,4104.33 10149.76,4129.17 10149.76,4191.97 IC1.26 ; v3(10085.63,3992.13) 10198.82,3992.13 R6.1
  Bottom Layer w10: v3(9860.24,3988.19) 9862.2,3990.16 10083.66,3990.16 v3(10085.63,3992.13)
"SD C CS": IC1.25 R7.2 | length 441.7
  Top Layer w10: R7.2@9786.12,4024.31 9887.8,4125.98 10110.24,4125.98 10130.98,4146.73 IC1.25
"SD DI": IC2.3 J2.3 | length 374.4
  Top Layer w10: J2.3 10067.72,3520.47 10150.59,3603.35 10150.59,3697.83 10132.87,3715.55 IC2.3
"SD DO": J2.7 R5.2 | length 192.5
  Top Layer w10: J2.7 10237.2,3437.2 10237.2,3515.75 10276.57,3555.12 10326.77,3555.12 R5.2
"SD SCK": IC2.6 J2.5 | length 514.7
  Top Layer w10: IC2.6 10193.9,3792.32 10227.36,3758.86 10227.36,3573.82 10154.33,3500.79 J2.5
SWCLK: IC1.37 jst4.3 | length 2241.5
  Top Layer w10: IC1.37 10921.77,4251.46 11640.75,3532.48 11950.79,3532.48 12019.68,3463.58 12019.68,3259.84 11995.08,3235.24 jst4.3
SWDIO: IC1.34 jst4.1 | length 1985.1
  Top Layer w10: IC1.34 10308.15,4112.13 10348.43,4071.85 10861.22,4071.85 11497.83,3435.24 jst4.1
"USART1 RX": IC1.43 jst2.2 | length 1705.4
  Top Layer w10: IC1.43 11498.9,4369.57 jst2.2
"USART1 TX": IC1.42 jst2.3 | length 1672.1
  Top Layer w10: IC1.42 11579.21,4349.88 jst2.3
"USART3 RX": IC1.22 M1.4 | length 1483.2
  Top Layer w10: M1.4 9568.31,3176.57 9578.74,3187.01 9578.74,3960.63 9908.94,4290.83 IC1.22
"USART3 TX": IC1.21 R1.1 | length 898.7
  Top Layer w10: R1.1 9500.98,3917.32 9894.17,4310.51 IC1.21
yedek: IC1.15 R19.2 | length 956.1
  Top Layer w10: R19.2 9853.35,5154.53 9828.74,5129.92 9828.74,4546.26 9946.38,4428.62 IC1.15
şarj: IC1.16 R15.2 | length 1060.3
  Top Layer w10: R15.2 9387.8,4897.64 9876.5,4408.94 IC1.16
pads on no net: B1.1 B1.2 IC3.5 J2.1 J2.8 J2.9 J2.10 J10.2 M1.3

## Polygon pours and split planes (outlines as drawn)
GND on Bottom Layer "\"\"" (solid, pour order 1): 8108.27,6693.9 12045.28,6693.9 12045.28,2756.89 8108.27,2756.89
GND on Top Layer "\"\"" (solid, pour order 4): 8108.27,6693.9 12045.28,6693.9 12045.28,2756.89 8108.27,2756.89 8108.27,2759.84

## Keep-outs
Keep-Out Layer:
  lines w3.94: 8108.27,2756.89 12045.28,2756.89 12045.28,6693.9 8108.27,6693.9 8108.27,2756.89

## Silkscreen, mask and mechanical layers (free items; w line width, h text height)
Top Overlay:
  drawing of 47 lines, arcs and shapes, not listed
  text "MÜHÜR" at 8787.4,6673.55 h60 r180
  text "YEDEK" at 10396.6,6674.21 h60 r180
  text "COM" at 9314.96,6672.56 h60 r180
  text "ŞARJ" at 9570.87,6673.38 h60 r180
  text "COM" at 10146.65,6671.58 h60 r180
  text "COM" at 8500,6665.67 h60 r180
  text "PA4" at 11666.34,6357.28 h60
  text "5V" at 11393.03,6355.01 h60 r90
  text "GND" at 11502.29,6304.45 h60 r90
  text "PC14" at 11090.87,6290.52 h60 r90
  text "PC15" at 10993.43,6290.08 h60 r90
  text "PC13" at 11186.34,6290.35 h60 r90
  text "PA3" at 11666.34,6260.51 h60
  text "BOOT0" at 11294.61,6242.57 h60 r90
  text "PA2" at 11666.34,6156.5 h60
  text "PA1" at 11667.32,6052.17 h60
  text "PA0" at 11668.31,5949.48 h60
  text "RELAY" at 9477.36,5939.96 h60 r270
  text "RELAY" at 8669.29,5922.24 h60 r270
  text "RELAY" at 10310.04,5920.28 h60 r270
  text "TEMP" at 11768.86,5779.69 h66.93
  text "H" at 11869.09,5700.79 h118.11 r270
  text "CAN" at 11474.41,5601.71 h118.11
  text "L" at 11869.09,5250.98 h118.11 r270
  text "INPUT" at 8518.38,4998.03 h60 r270
  text "-" at 8114.85,4894.53 h60 r270
  text "5V" at 11725.4,4876.65 h60
  text "RX" at 11718.46,4779.53 h60
  text "12V" at 8125,4710.63 h60 r270
  text "TX" at 11721.46,4675.2 h60
  text "STM32" at 9900.75,4586.77 h60
  text "GND" at 11677.17,4564.64 h60
  text "OUTPUT" at 8524.29,4534.45 h60 r270
  text "NEXTION" at 11626.14,4413.54 h60
  text "-" at 8113.87,4412.24 h60 r270
  text "HILAL ELEKTROMOBIL" at 10971.46,4296.91 h59.06
  text "VEHICLE CONTROL UNIT" at 10969.54,4237.86 h59.06
  text "5V" at 8124.68,4236.22 h60 r270
  text "ABDULLAH TOYGAR" at 10969.49,4167 h60
  text "PB5" at 11675.97,4148.3 h60
  text "UMUT ŞAR" at 10969.49,4097.28 h60
  text "OUTPUT" at 8525.27,4069.88 h60 r270
  text "PB4" at 11676.41,4048.23 h60
  text "-" at 8109.93,3956.54 h60 r270
  text "PB3" at 11676.25,3946.53 h60
  text "PA15" at 11646.11,3848.11 h60
  text "3V3" at 8122.71,3784.45 h60 r270
  text "LORA" at 9130.91,3637.14 h118.11
  text "ST LINK" at 11632.05,3548.39 h60
  text "SWDIO" at 11591.04,3415.04 h60
  text "GND" at 11654.53,3306.77 h60
  text "SWCLK" at 11579.77,3209.33 h60
  text "3V3" at 11677.28,3107.95 h60
  text "PB0" at 10659.77,2894.68 h60 r90
  text "PB1" at 10769.68,2894.68 h60 r90
  text "PB2" at 10874.02,2894.68 h60 r90
  text "5V" at 10971.77,2894.68 h60 r90
  text "GND" at 11074.14,2894.68 h60 r90
  text "PA10" at 11259.18,2894.68 h60 r90
  text "PA11" at 11359.25,2894.68 h60 r90
  text "PA12" at 11460.63,2894.68 h60 r90
  text "NC" at 11561.34,2892.72 h60 r90
  text "GND" at 11653.86,2892.72 h60 r90